# Altium PCB STM32MP25XXAK_2_DDR3L.PcbDoc (part 5 of 6)
Units mm, origin at the board's own origin, x right, y up, seen from the top; angles counter-clockwise.
Board outline 120 x 79.6 mm, 4 copper layers (Top Layer, Signal Layer 1, Signal Layer 2, Bottom Layer), stack 1.614 mm thick; 247 components, 155 nets, 1312 pads, 792 vias.
Unrouted connection lines stored in the file: 6.
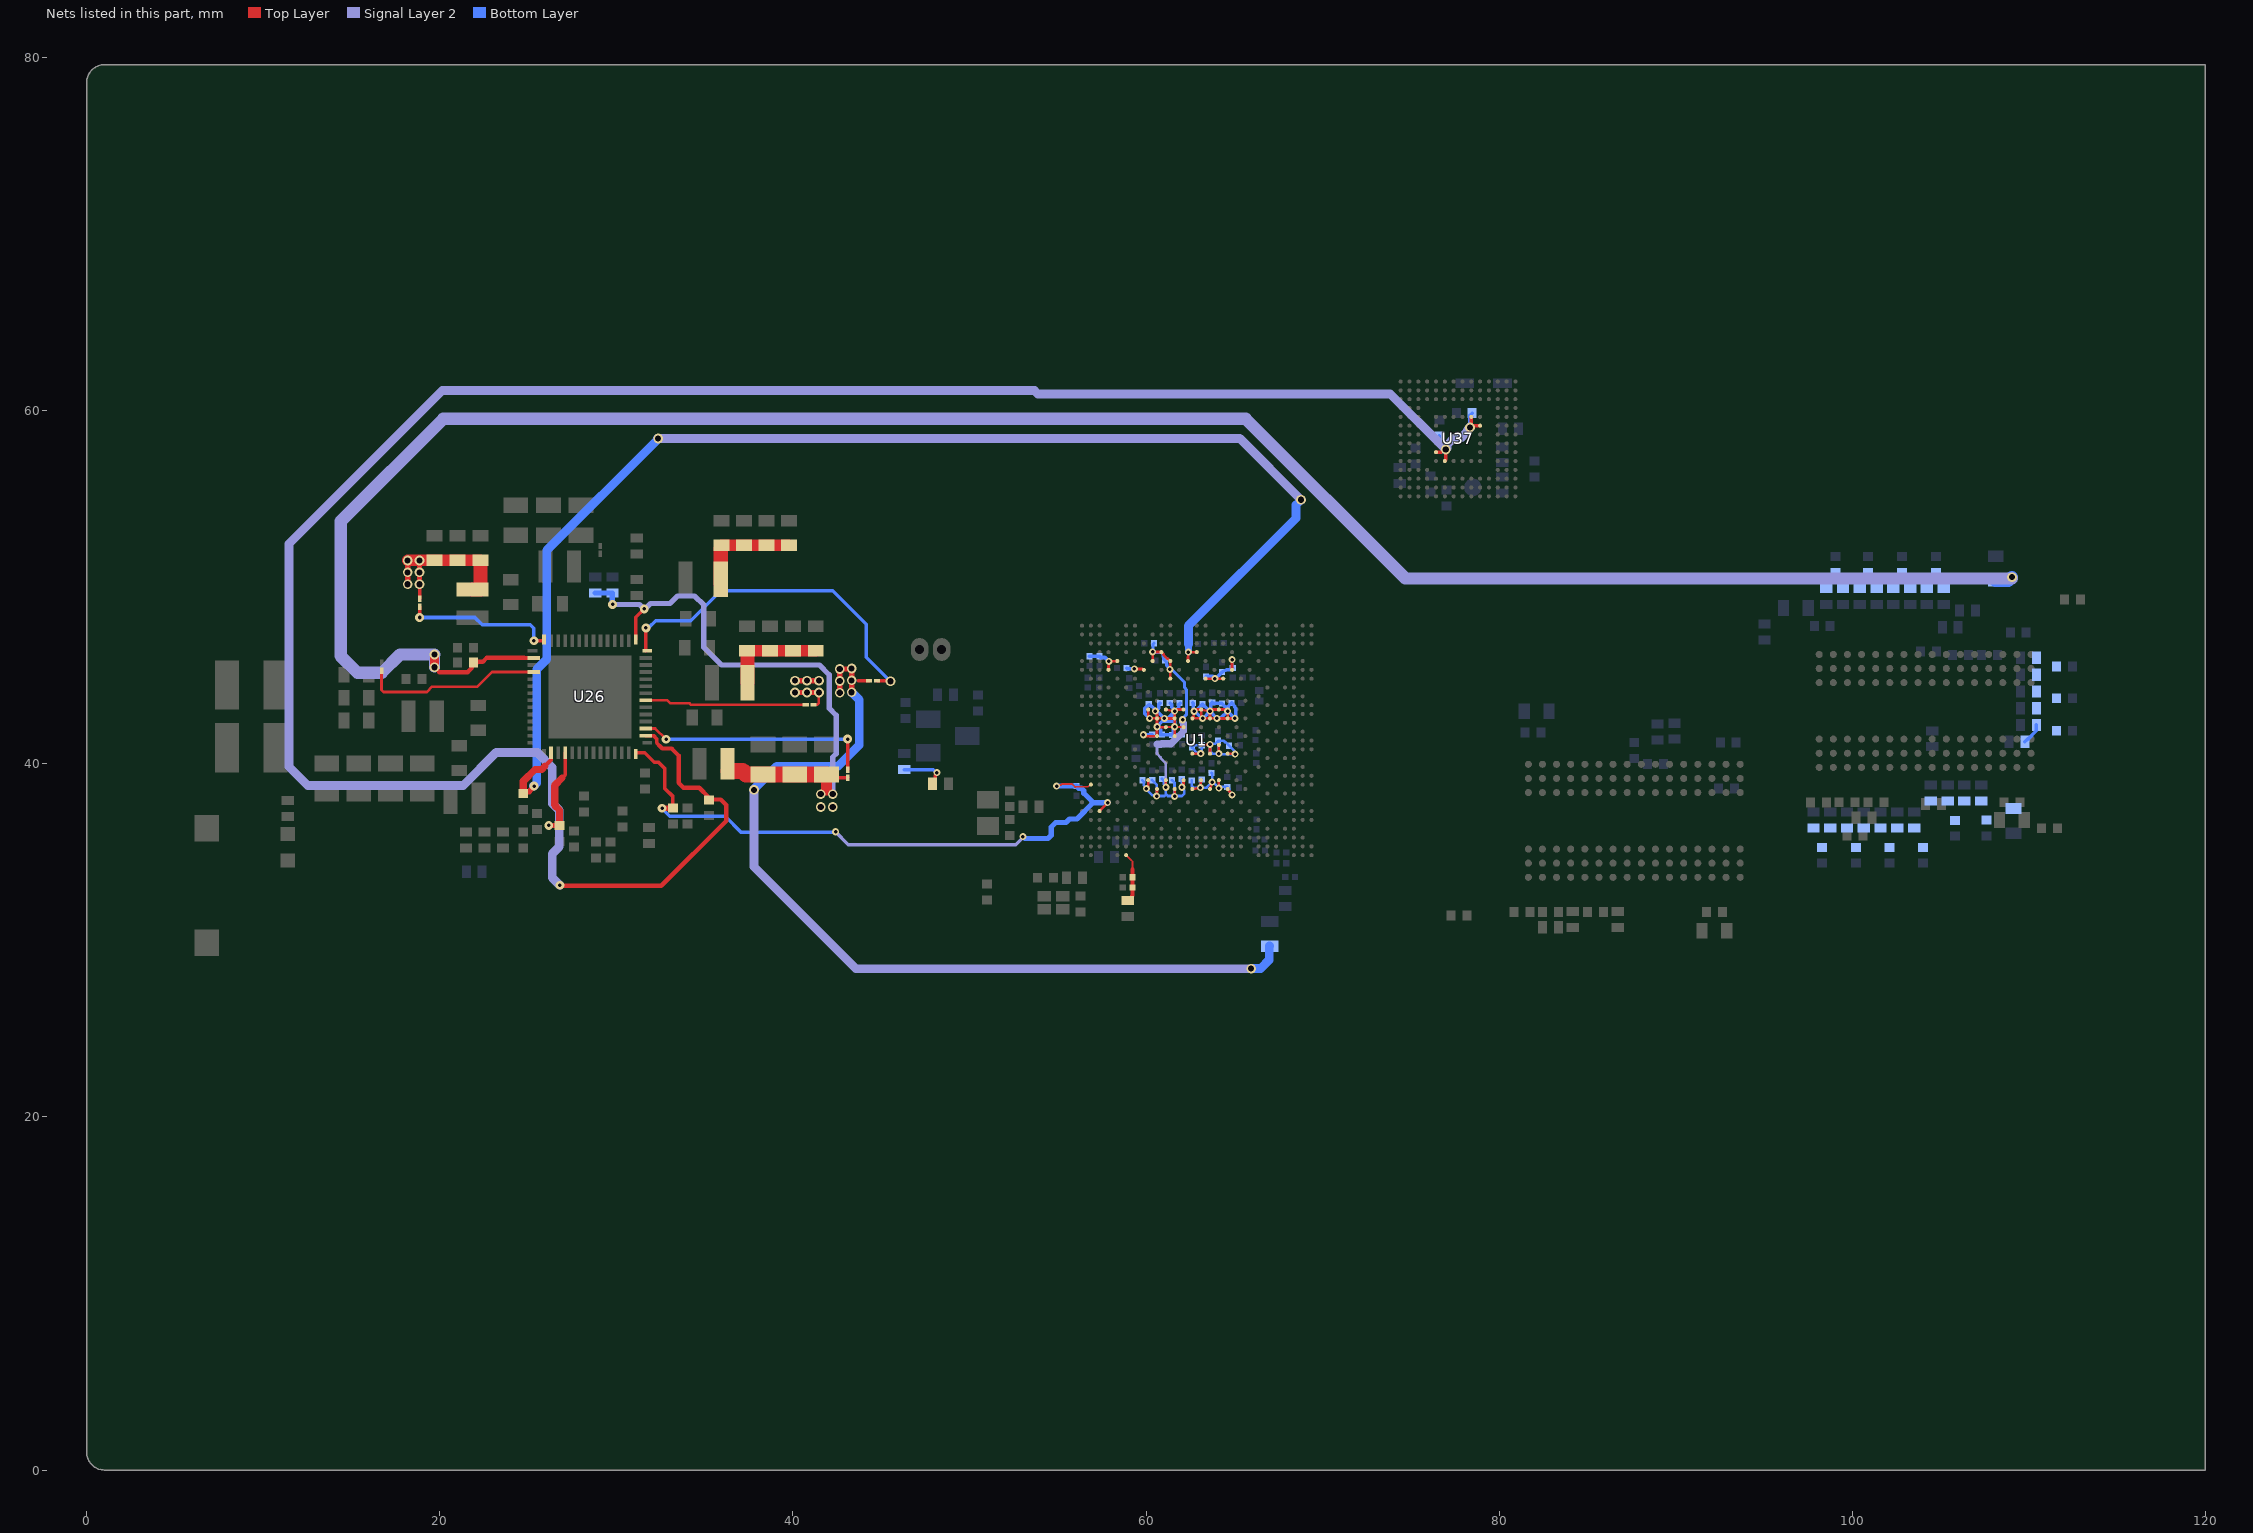
[diagram p7: the nets of this part, all layers, seen from the top]

## Via types
v1: diameter 0.55, hole 0.35, Top Layer to Bottom Layer, 275 vias
v2: diameter 0.4, hole 0.2, Top Layer to Bottom Layer, tented both sides, 246 vias
v3: diameter 0.5, hole 0.2, Top Layer to Bottom Layer, 146 vias
v4: diameter 0.5, hole 0.25, Top Layer to Bottom Layer, 125 vias

## Nets (pads, with @x,y where several pads share a name; then routed paths per layer and width w, separated by ;. In a path a pad name is that pad's centre, name@x,y a point inside that pad or via, vN(x,y) a via of type N, cw(c..) or ccw(c..) an arc to the next point about the centre after c; other vN are vias at no path point) (continued)
VDD_DDR_FB: LNK8.1 U26.46 | length 10.2
  Top Layer w0.15: LNK8.1@16.7,45.273 16.7,44.19 16.817,44.073 19.267,44.073 19.567,44.373 20.237,44.373 20.239,44.375 22.127,44.375 22.952,45.2 U26.46@25.33,45.2
VDD_EMMC: C9.2 C117.2 C190.1 U26.16 U37.E6 U37.F5 U37.J10 U37.K9 | length 132.2
  Top Layer w0.2: U37.E6@76.425,57.655 76.73,57.655 76.88,57.805 v1(76.975,57.805) 76.975,57.213 76.925,57.163 U37.F5@76.925,57.155 ; v1(78.35,59.055) v1@78.425,59.13 ; U37.J10@78.425,59.655 78.425,59.225 78.417,59.217 78.417,59.138 v1@78.425,59.13 ; U37.K9@78.925,59.155 78.545,59.155 78.512,59.122 78.433,59.122 v1@78.425,59.13
  Top Layer w0.21: U26.16@31.67,41.6 32.1,41.6 32.288,41.412 32.288,41.187 32.434,41.041
  Top Layer w0.25: v3@26.752,33.092 32.549,33.092 36.225,36.768 36.225,37.668 35.912,37.981 C190.1@35.266,37.981 ; 32.432,41.038 32.598,40.872 33.128,40.872 33.525,40.475 33.525,38.925 33.8,38.65 34.695,38.65 35.25,38.095 C190.1@35.25,38.025
  Signal Layer 2 w0.5: v3(26.8,33.125) 26.372,33.553 26.372,34.908 26.765,35.301 26.765,37.369 26.372,37.762 26.372,39.786 25.509,40.649 23.203,40.649 21.327,38.773 12.524,38.773 11.458,39.839 11.458,52.457 20.147,61.146 53.676,61.146 53.869,60.953 73.827,60.953 76.886,57.894 v1(76.975,57.805) 76.975,57.819 77.05,57.894 77.05,58.059 77.431,58.44 77.819,58.44 78.2,58.821 78.2,58.891 78.34,59.032 v1@78.34,59.045
  Bottom Layer w0.2: C9.2@76.615,58.58 76.615,58.074 76.884,57.805 v1(76.975,57.805) ; v1(78.35,59.055) 78.35,59.739 C117.2@78.475,59.864
VDD_SDCARD: C215.1 U26.4 | length 5.1
  Top Layer w0.21: 26.925,39.2 27.1,39.375 U26.4@27.1,40.63
  Top Layer w0.3: v3(26.165,36.51) C215.1@26.775,36.51
  Top Layer w0.4: C215.1@26.775,36.51 26.775,37.393 26.51,37.658 26.51,38.785 26.925,39.2
VDDA1V8_AON: C189.2 C234.2 U1.AB3 U1.W2 U26.14 | length 37.9
  Top Layer w0.09: 56.026,38.692 56.705,38.692 56.837,38.825 U1.W2@56.875,38.825 ; v2@57.825,37.775 v2(57.825,37.8)
  Top Layer w0.1: v2(54.932,38.744) 54.99,38.801 55.205,38.801 55.267,38.863 55.805,38.863 55.975,38.692 56.026,38.692
  Top Layer w0.15: U1.AB3@57.375,37.325 v2@57.825,37.775
  Top Layer w0.21: U26.14@31.1,40.63 31.61,40.63 32.148,40.092 32.387,40.092 32.745,39.734 32.745,38.602 33.2,38.147 C189.2@33.2,37.49
  Top Layer w0.3: v3(32.59,37.49) C189.2@33.2,37.49
  Signal Layer 2 w0.2: v2(42.415,36.154) 43.144,35.425 52.627,35.425 53.025,35.823 v2(53.025,35.875)
  Bottom Layer w0.2: v3@32.57,37.493 33.032,37.031 36.158,37.031 37.056,36.133 42.394,36.133 v2(42.415,36.154)
  Bottom Layer w0.3: v2(53.025,35.875) 53.052,35.875 53.152,35.775 53.829,35.775 53.836,35.769 54.451,35.769 54.627,35.944 54.627,36.412 54.891,36.675 55.461,36.675 55.662,36.877 56.088,36.877 57.012,37.8 ; v2(54.932,38.744) 54.936,38.748 C234.2@56.064,38.748 56.199,38.613 56.338,38.613 56.479,38.472 56.479,38.333 57.012,37.8 ; v2(57.825,37.8) 57.012,37.8
VDDCORE: C22.2 C23.2 C24.2 C44.1 C45.2 C46.2 C47.1 C48.2 C49.2 C50.2 C51.2 C183.2 C192.2 C197.2 C201.2 L2.2 LNK2.2 R11.1 U1.1C1 U1.1C3 U1.1C5 U1.1D2 U1.1D4 U1.1E3 U1.1E5 U1.1F2 U1.1F4 U1.E5 U1.F4 U1.F8 | length 78.2
  Top Layer w0.15: U1.F4@57.875,45.325 v2(57.9,45.8) U1.E5@58.375,45.825 ; v2@59.4,45.375 59.803,45.375 59.853,45.325 U1.F8@59.875,45.325 ; v2(59.85,41.65) 59.904,41.65 59.981,41.573 U1.1F2@60.624,41.573 ; U1.1C1@60.125,43.075 60.125,42.724 60.206,42.643 v2@60.206,42.575 ; v2(60.21,42.575) U1.1D2@60.625,42.575 ; v2@60.545,42.99 60.545,42.922 60.625,42.842 U1.1D2@60.625,42.575 ; U1.1F2@60.625,41.65 v2(60.625,42.1) ; U1.1C3@61.125,43.075 v2(61.625,42.983) ; U1.1F4@61.625,41.575 v2(61.625,42.1) ; U1.1E5@62.125,42.075 v2(61.625,42.1) ; U1.1C5@62.125,43.075 61.771,43.075 61.679,42.983 v2(61.625,42.983) ; v2(60.625,42.1) U1.1D2@60.625,42.575 ; v2(60.625,42.1) 60.65,42.075 U1.1E3@61.125,42.075 v2(61.625,42.1) ; U1.1D2@60.625,42.575 61.017,42.572 61.622,42.572 U1.1D4@61.625,42.575 ; v2(61.625,42.1) U1.1D4@61.625,42.575 ; U1.1D4@61.625,42.575 v2@61.625,42.983
  Top Layer w0.2: C22.2@39.775,52.375 C22.2@39.823,52.423 ; 43.7,44.7 LNK2.2@44.316,44.7
  Top Layer w0.3: v1(42.656,44.024) v1(42.656,44.699) v1(42.656,45.374) 43.331,45.374 43.331,44.729 v1@43.331,44.024
  Top Layer w0.64: C183.2@35.95,52.375 C24.2@37.225,52.375 C23.2@38.5,52.375 C22.2@39.775,52.375
  Top Layer w0.8: L2.2@35.915,50.2 L2.2@35.915,50.45 C183.2@35.915,52.173
  Signal Layer 2 w0.5: v1(37.8,38.525) 37.798,38.523 37.798,34.168 43.576,28.39 v1@65.911,28.39 ; v1@65.911,28.391 65.947,28.391 v1(65.956,28.4)
  Bottom Layer w0.2: C192.2@56.8,46.1 C201.2@57.375,46.1 57.45,46.025 57.675,46.025 v2(57.9,45.8) ; C197.2@58.9,45.425 58.942,45.383 v2(59.342,45.383) ; v2(59.85,41.65) 60.346,41.65 C44.1@60.351,41.655 ; v2@60.206,42.575 59.942,42.839 59.942,43.153 60.059,43.27 60.098,43.27 60.173,43.345 60.198,43.32 60.235,43.32 60.285,43.27 60.328,43.27 60.507,43.091 60.507,43.028 60.545,42.99 v2@60.578,42.99 ; C51.2@60.814,43.438 60.788,43.438 60.725,43.375 60.725,43.137 v2@60.578,42.99 ; C46.2@60.84,41.657 C46.2@60.913,41.657 ; C46.2@60.915,41.655 C46.2@60.913,41.657 ; v2@61.135,42.572 61.017,42.572 61.017,42.591 60.719,42.89 60.699,42.89 60.599,42.99 v2@60.578,42.99 ; C49.2@61.377,43.437 61.452,43.362 61.452,43.201 61.625,43.028 v2(61.625,42.983) v2@61.616,42.961 ; C47.1@61.476,41.631 C47.1@61.502,41.657 ; C50.2@61.941,43.438 61.866,43.363 61.866,43.211 v2@61.616,42.961 ; C48.2@62.038,41.657 C47.1@61.502,41.657 ; C46.2@60.913,41.657 C47.1@61.502,41.657 ; C46.2@60.913,41.657 60.84,41.73 60.84,41.94 60.719,42.062 60.663,42.062 v2(60.625,42.1) 60.625,42.107 60.923,42.405 v2@61.06,42.405 ; v2@61.06,42.405 v2@61.227,42.572 ; v2@61.06,42.405 61.623,42.405 ; v2@61.227,42.572 v2@61.616,42.961 ; v2@61.227,42.572 61.455,42.572 ; 61.455,42.572 v2@61.616,42.961 ; 61.455,42.572 61.623,42.405 ; C47.1@61.502,41.657 61.551,41.706 61.551,41.972 61.625,42.046 v2(61.625,42.1) 61.623,42.102 61.623,42.405
  Bottom Layer w0.5: v1(37.8,38.525) 37.81,38.535 37.81,38.592 39.084,39.866 42.555,39.866 43.757,41.068 43.757,43.623 v1(43.326,44.054) ; v1(65.956,28.4) 66.485,28.4 66.983,28.898 66.983,29.658 R11.1@67,29.675
  other v1: 43.326,44.729 43.326,45.404
  other v2: 61.04,42.575 60.531,42.99
VDDCORE_FB: LNK2.1 U26.28 | length 20.6
  Top Layer w0.2: U26.28@31.67,46.4 v3(31.67,47.7) ; LNK2.1@44.766,44.7 v1@45.376,44.7
  Bottom Layer w0.2: v3@31.645,47.7 31.702,47.757 31.876,47.757 32.229,48.111 34.209,48.111 35.902,49.804 42.248,49.804 44.15,47.902 44.15,46.041 v1@45.508,44.683 ; v3@31.65,47.703 31.707,47.761 31.881,47.761 32.234,48.114
  other v1: 45.533,44.683
VDDCPU: C26.2 C27.2 C28.2 C62.1 C63.2 C64.2 C65.1 C66.2 C67.2 C68.2 C69.2 L3.2 LNK4.1 U1.1C7 U1.1C9 U1.1D6 U1.1D8 U1.1D10 U1.F18 U1.G15 U1.G17 | length 28.3
  Top Layer w0.15: v2@62.725,42.907 v2@62.725,42.975 ; v2@63.2,42.575 U1.1D6@62.625,42.575 62.625,42.597 62.696,42.668 62.696,42.956 v2(62.72,42.98) 62.788,42.98 62.883,43.075 U1.1C7@63.125,43.075 ; U1.G15@63.375,44.825 v2(63.9,44.825) U1.G17@64.375,44.825 ; U1.F18@64.875,45.325 v2(64.875,45.91) ; v2@65.017,42.572 64.628,42.572 U1.1D10@64.625,42.575 ; U1.1C7@63.125,43.075 63.125,42.728 63.21,42.643 v2(63.21,42.575) U1.1D8@63.625,42.575 ; U1.1C7@63.125,43.075 v2(63.625,42.983) ; U1.1D8@63.625,42.575 v2(63.625,42.983) ; U1.1D8@63.625,42.575 v2(64.017,42.572) 64.622,42.572 U1.1D10@64.625,42.575 ; v2(63.625,42.983) 63.693,42.983 63.784,43.075 U1.1C9@64.125,43.075 64.466,43.075 64.557,42.983 v2(64.625,42.983) U1.1D10@64.625,42.575
  Top Layer w0.2: LNK4.1@18.85,49.35 v1(18.85,50.173)
  Top Layer w0.3: v1(18.175,50.173) v1(18.175,50.848) v1(18.175,51.523) v1(18.85,51.523) v1(18.85,50.848) v1(18.85,50.173)
  Top Layer w0.64: v1(18.175,51.523) v1(18.175,51.523) C27.2@19.7,51.525 C28.2@21,51.525 C26.2@22.3,51.525
  Top Layer w0.8: L3.2@21.85,49.875 22.3,49.875 22.3,51.173
  Bottom Layer w0.15: v2(64.875,45.91) 64.895,45.89 C66.2@64.895,45.441
  Bottom Layer w0.2: C63.2@62.65,43.455 62.685,43.42 v2@62.685,43.015 ; C67.2@63.4,44.95 63.775,44.95 v2(63.9,44.825) 63.933,44.825 64.23,45.122 64.23,45.127 64.3,45.197 C69.2@64.305,45.197 ; v2(64.017,42.572) 64.055,42.61 64.252,42.61 v2(64.625,42.983) ; v2@64.017,42.583 v2@63.625,42.975 ; C69.2@64.305,45.202 64.579,45.324 64.778,45.324 64.886,45.432 64.91,45.423 C66.2@64.915,45.421 ; v2@63.625,42.975 v2(63.625,42.983) ; v2@63.625,42.975 63.625,42.963 63.237,42.575 63.169,42.575 62.764,42.98 v2(62.72,42.98) 62.758,43.018 62.843,43.018 C62.1@63.2,43.375 63.275,43.3 63.308,43.3 v2(63.625,42.983) ; v2(63.625,42.983) 63.625,43.038 63.675,43.088 63.675,43.4 C65.1@63.75,43.475 63.784,43.441 64.284,43.441 C68.2@64.3,43.425 64.587,43.138 64.587,43.022 v2(64.625,42.983) ; v2(64.625,42.983) 64.658,43.016 64.658,43.258 C64.2@64.85,43.45 65.03,43.27 65.03,43.196 65.086,43.141 65.086,42.672 65.04,42.626 v2(65.04,42.572) 65.036,42.572 v2(64.625,42.983)
VDDCPU_FB: LNK4.2 U26.42 | length 8.6
  Top Layer w0.2: v3(18.85,48.29) LNK4.2@18.85,48.9 ; v3(25.325,46.975) U26.42@25.895,46.975
  Bottom Layer w0.2: v3(18.85,48.29) 21.979,48.29 22.394,47.875 25.123,47.875 25.325,47.673 v3(25.325,46.975)
VDDGPU: C34.2 C35.2 C36.2 C37.2 C52.2 C53.2 C54.2 C55.2 C57.2 C58.2 C59.2 C60.2 L4.2 LNK7.2 U1.1G7 U1.1G9 U1.1H6 U1.1H8 U1.1H10 U1.1L7 U1.1L9 U1.1M6 U1.1M8 U1.1M10 | length 24.7
  Top Layer w0.1: U1.1H6@62.625,40.575 U1.1H6@62.625,40.61
  Top Layer w0.125: v2(64.125,40.575) U1.1G9@64.125,41.075
  Top Layer w0.15: LNK7.2@41.175,43.35 41.182,43.358 41.385,43.358 41.473,43.445 v1(41.473,44.038) ; U1.1M6@62.625,38.575 v2(63.075,38.65) U1.1L7@63.125,39.075 ; U1.1H6@62.625,40.575 v2(63.1,40.575) ; U1.1G7@63.125,41.075 v2(63.625,41.1) U1.1H8@63.625,40.575 ; U1.1M8@63.625,38.575 v2(63.747,38.971) ; v2(64.125,38.629) U1.1L9@64.125,39.075 ; U1.1M10@64.625,38.575 v2(64.876,38.245)
  Top Layer w0.16: U1.1H10@64.625,40.575 v2(65.05,40.55)
  Top Layer w0.2: C35.2@41.55,46.393 C35.2@41.598,46.345
  Top Layer w0.3: v1(40.123,44.038) v1(40.798,44.038) v1(41.473,44.038) ; v1(40.123,44.713) v1(40.798,44.713) v1(41.473,44.713)
  Top Layer w0.64: C37.2@37.4,46.4 C36.2@38.7,46.4 C34.2@40,46.4 C35.2@41.3,46.4
  Top Layer w0.8: L4.2@37.425,44.6 37.425,46.073
  Bottom Layer w0.15: C57.2@62.592,39.053 62.592,38.738 62.68,38.65 v2(63.075,38.65) ; C60.2@63.154,39.122 63.092,39.06 63.092,38.667 v2(63.075,38.65) ; C59.2@63.714,39.486 63.747,39.453 v2(63.747,38.971) ; v2(64.876,38.245) 64.876,38.289 64.707,38.458 64.707,38.597 C58.2@64.607,38.697 64.193,38.697 v2(64.125,38.629) 63.783,38.971 v2(63.747,38.971) ; v2(63.075,38.65) 63.426,38.65 v2(63.747,38.971) ; C52.2@63.162,41.057 62.788,41.057 62.756,41.025 62.7,41.025 C55.2@62.6,40.925 62.902,40.623 63.052,40.623 v2(63.1,40.575) 63.162,40.637 C52.2@63.162,41.057 ; C52.2@63.162,41.057 63.184,41.079 63.603,41.079 v2(63.625,41.1) ; v2(63.625,41.1) 63.656,41.131 63.908,41.131 C53.2@64.083,41.306 ; v2(63.625,41.1) 63.625,40.719 63.769,40.575 v2(64.125,40.575) ; C53.2@64.083,41.306 64.396,41.306 64.463,41.239 64.496,41.239 C54.2@64.706,41.029 65.002,40.733 65.002,40.598 v2(65.05,40.55) 64.15,40.55 v2(64.125,40.575) ; C53.2@64.083,41.306 64.083,40.962 64.125,40.919 v2(64.125,40.575)
VDDGPU_FB: LNK7.1 U26.21 | length 9.3
  Top Layer w0.15: U26.21@31.55,43.6 32.883,43.6 33.06,43.423 34.14,43.423 34.213,43.35 LNK7.1@40.725,43.35
VDDIO: C70.1 C71.2 C72.2 C73.1 C74.2 C185.2 C186.2 C187.2 C196.2 C205.2 L6.2 LNK11.2 R27.2 R67.2 R260.2 R261.2 U1.1L1 U1.1L3 U1.1L5 U1.1M2 U1.1M4 U1.D10 U1.E9 U1.E11 U1.G11 U26.29 | length 59.1
  Top Layer w0.15: v2(60.025,38.6) 60.025,38.618 60.125,38.718 U1.1L1@60.125,39.075 ; U1.E9@60.375,45.825 U1.E9@60.397,45.825 ; U1.E9@60.375,45.825 v2(60.375,46.344) ; v2@60.448,46.335 U1.D10@60.865,46.335 ; v2(60.6,38.175) U1.1M2@60.625,38.575 ; U1.D10@60.875,46.325 60.875,46.322 61,46.197 61,46.17 61.22,45.95 61.247,45.95 61.372,45.825 U1.E11@61.375,45.825 61.375,45.448 61.362,45.435 61.375,45.423 U1.G11@61.375,44.825 ; v2(61.125,38.675) U1.1L3@61.125,39.075 ; U1.1M4@61.625,38.575 61.625,38.212 v2@61.663,38.175 ; v2@62.05,38.675 62.05,38.743 62.125,38.818 U1.1L5@62.125,39.075
  Top Layer w0.2: U26.29@31.1,47.045 31.1,48.298 v3(31.575,48.773) ; C186.2@41.9,39.4 42.085,39.215 LNK11.2@43.1,39.215 ; R27.2@47.905,38.872 48.06,39.027 48.06,39.347 48.158,39.446 v2(48.158,39.5)
  Top Layer w0.64: 41.9,38.525 C186.2@41.9,38.955
  Top Layer w0.9: L6.2@36.35,39.6 37.15,39.6 37.35,39.4 C187.2@38.3,39.4 C185.2@40.1,39.4 C186.2@41.9,39.4
  Signal Layer 2 w0.15: 60.633,41.112 60.619,41.098 60.619,40.581 60.827,40.373 60.827,40.328 61.125,40.03 v2(61.125,38.675)
  Signal Layer 2 w0.3: v3(29.784,49.027) 31.299,49.027 31.55,48.776 v3@31.575,48.776 ; v3(31.575,48.773) 31.629,48.773 31.94,49.084 33.043,49.084 33.473,49.513 34.431,49.513 34.955,48.989 34.955,46.601 35.956,45.6 41.499,45.6 42.051,45.048 42.051,43.156 42.451,42.756 42.451,40.573 42.252,40.375 v1(42.252,38.285)
  Signal Layer 2 w0.4: 60.633,41.112 60.859,41.112 60.885,41.138 61.426,41.138 62.125,41.837 62.125,42.307 62.072,42.36 v2(62.072,42.497)
  Bottom Layer w0.15: C70.1@59.781,39.075 59.881,38.975 59.881,38.787 60.025,38.643 60.025,38.55 60.352,38.223 60.552,38.223 v2(60.6,38.175) ; C71.2@60.34,39.085 60.6,38.825 v2(60.6,38.175) ; C72.2@60.905,39.148 61.005,39.048 61.005,38.863 61.125,38.743 v2(61.125,38.675) 61.125,38.285 ; C73.1@61.467,39.074 61.61,38.931 v2@61.61,38.175 ; v2(61.625,38.16) v2@61.61,38.175 ; C74.2@62.03,39.133 62.04,39.123 62.04,38.685 62.05,38.675 62.05,38.607 62.175,38.482 62.175,38.323 62.027,38.175 v2@61.61,38.175 ; v2(60.6,38.175) 61.037,38.175 61.125,38.263 61.125,38.285 ; 61.125,38.285 61.235,38.175 v2@61.61,38.175
  Bottom Layer w0.175: C205.2@60.452,46.829 60.389,46.765 v2@60.389,46.357 ; v2@60.485,46.38 60.411,46.38 v2@60.389,46.357 ; v2@61.35,45.366 61.35,45.39 61.175,45.565 61.175,45.66 61.163,45.672 61.163,45.762 61,45.925 61,46.01 60.968,46.042 60.968,46.188 60.85,46.305 60.413,46.305 v2(60.375,46.344) v2@60.389,46.357 ; v2@61.362,45.435 62.186,44.612 62.186,44.315 62.253,44.249 62.253,44.231 62.283,44.2 62.283,42.776 62.072,42.564 v2(62.072,42.497)
  Bottom Layer w0.2: R67.2@46.3,39.675 47.941,39.675 48.116,39.5 v2(48.158,39.5)
  Bottom Layer w0.3: R260.2@28.81,49.683 29.785,49.683 29.774,49.673 29.774,49.041 v3@29.764,49.031
  other v1: 41.577,37.56 42.252,37.56 41.577,38.285
  other v2: 62.03,38.675 61.35,45.35
VDDIO_FB: LNK11.1 U26.17 | length 13.4
  Top Layer w0.15: U26.17@31.67,42 32.2,42 32.803,41.397 v3(32.815,41.397)
  Top Layer w0.2: LNK11.1@43.1,39.665 v3(43.1,41.4)
  Bottom Layer w0.15: v3@43.097,41.397 v3(43.1,41.4)
  Bottom Layer w0.2: v3(32.815,41.397) v3@43.097,41.397
VDDIO_SDCARD: C195.2 C217.1 U1.D14 U1.E13 U26.2 | length 76.7
  Top Layer w0.15: U1.E13@62.375,45.825 v2(62.4,46.325) U1.D14@62.875,46.325
  Top Layer w0.21: 25.959,39.873 26.3,40.214 U26.2@26.3,40.63
  Top Layer w0.3: C217.1@24.725,38.38 24.77,38.425 25.059,38.425 25.335,38.701 v3(25.335,38.737)
  Top Layer w0.4: C217.1@24.725,38.32 24.725,38.38 24.725,39.015 25.399,39.69 25.775,39.69 25.959,39.873
  Signal Layer 2 w0.5: v1(32.365,58.43) 32.368,58.432 51.443,58.432 ; 51.445,58.435 51.443,58.432 ; v1(68.777,54.958) 65.303,58.432 51.443,58.432
  Bottom Layer w0.4: v2(62.4,46.325) C195.2@62.4,46.787
  Bottom Layer w0.5: v3@25.315,38.74 25.489,38.914 25.489,45.364 26.061,45.936 26.061,52.095 32.335,58.37 32.335,58.424 v1@32.345,58.433 ; C195.2@62.4,46.787 62.4,47.824 68.495,53.919 68.495,54.661 68.777,54.944 v1(68.777,54.958)
VREF+: C248.2 C250.2 R269.2 U1.AG6 | length 2.9
  Top Layer w0.09: U1.AG6@58.875,34.825 59.13,34.57
  Top Layer w0.1: 59.13,34.57 59.233,34.467 59.233,34.02
  Top Layer w0.25: R269.2@58.956,32.258 59.051,32.258 59.181,32.388 59.181,32.483 59.233,32.535 C248.2@59.233,33.002 C250.2@59.233,33.572 59.233,34.02
VTT_DDR: C40.2 C122.2 C123.2 C124.2 C125.2 C126.2 C127.2 C129.2 C131.2 C132.2 C133.2 C134.2 C135.2 C136.2 C139.2 C140.2 R116.2 R117.2 R118.2 R119.2 R120.2 R121.2 R122.2 R123.2 R124.2 R125.2 R126.2 R127.2 R128.2 R129.2 R130.2 R131.2 R132.2 R133.2 R134.2 R135.2 R136.2 R137.2 R138.2 R139.2 R140.2 U26.44 | length 124.5
  Top Layer w0.21: 24.775,46 U26.44@25.33,46
  Top Layer w0.25: v1(19.702,45.473) 19.975,45.2 21.575,45.2 21.82,45.445 21.82,45.635 21.935,45.75 C40.2@22.005,45.75 ; C40.2@22.01,45.635 22.165,45.79 22.44,45.79 22.65,46 24.775,46
  Top Layer w0.5: v1(19.702,45.473) v1@19.702,46.196
  Signal Layer 2 w0.6: v1@19.7,45.475 v1(19.7,46.198)
  Signal Layer 2 w0.7: v1(19.7,46.198) 17.744,46.198 16.709,45.163 15.337,45.163 14.383,46.117 14.383,53.733 20.199,59.549 65.64,59.549 74.694,50.495 v1@109.05,50.495
  Bottom Layer w0.2: R135.2@109.783,41.25 109.943,41.41 109.97,41.41 110.433,41.873 R136.2@110.433,42.2
  Bottom Layer w0.7: C123.2@108.132,50.358 108.833,50.358 v1(109.05,50.575)
pads on no net: U1.A3 U1.A6 U1.A7 U1.A10 U1.A11 U1.A14 U1.A15 U1.A18 U1.A19 U1.A26 U1.AA3 U1.AA5 U1.AA7 U1.AA9 U1.AA11 U1.AA13 U1.AA15 U1.AA17 U1.AA19 U1.AB1 U1.AB2 U1.AB8 U1.AB10 U1.AB12 U1.AB14 U1.AB16 U1.AB18 U1.AC2 U1.AC7 U1.AC9 U1.AC13 U1.AC15 U1.AC17 U1.AC19 U1.AC25 U1.AD4 U1.AD6 U1.AD8 U1.AD10 U1.AD12 U1.AD14 U1.AD16 U1.AD18 U1.AD20 U1.AD24 U1.AD25 U1.AE2 U1.AE3 U1.AE4 U1.AE5 U1.AE6 U1.AE7 U1.AE8 U1.AE9 U1.AE10 U1.AE11 U1.AE12 U1.AE13 U1.AE14 U1.AE15 U1.AE16 U1.AE17 U1.AE18 U1.AE19 U1.AE20 U1.AE24 U1.AE25 U1.AE26 U1.AF1 U1.AF3 U1.AF7 U1.AF9 U1.AF10 U1.AF11 U1.AF13 U1.AF14 U1.AF15 U1.AF17 U1.AF18 U1.AF19 U1.AF21 U1.AF22 U1.AF23 U1.AF25 U1.AF26 U1.AF27 U1.AG5 U1.AG9 U1.AG10 U1.AG13 U1.AG14 U1.AG17 U1.AG18 U1.AG21 U1.AG22 U1.AG25 U1.AG26 U1.B1 U1.B2 U1.B3 U1.B5 U1.B6 U1.B7 U1.B9 U1.B10 U1.B11 U1.B13 U1.B14 U1.B15 U1.B17 U1.B18 U1.B19 U1.B21 U1.B26 U1.B27 U1.C2 U1.C3 U1.C4 U1.C5 U1.C7 U1.C8 U1.C9 U1.C11 U1.C12 U1.C13 U1.C14 U1.C15 U1.C16 U1.C17 U1.C18 U1.C19 U1.C20 U1.C21 U1.C22 U1.C26 U1.C27 U1.D3 U1.D4 U1.D6 U1.D8 U1.D12 U1.D16 U1.D20 U1.D25 U1.E1 U1.E2 U1.E3 U1.F1 U1.F2 U1.F6 U1.F10 U1.G2 U1.G3 U1.G13 U1.G21 U1.H3 U1.H4 U1.J1 U1.J2 U1.J3 U1.J5 U1.K1 U1.K2 U1.K4 U1.K6 U1.L2 U1.L3 U1.L5 U1.L7 U1.L21 U1.M3 U1.M4 U1.M6 U1.N1 U1.N2 U1.N3 U1.N5 U1.N7 U1.P1 U1.P2 U1.P3 U1.P4 U1.P6 U1.R2 U1.R3 U1.R5 U1.T3 U1.T4 U1.U1 U1.U2 U1.U3 U1.U5 U1.U7 U1.V1 U1.V2 U1.V3 U1.V4 U1.W5 U1.Y3 U1.Y6 U1.Y24 U2.J1 U2.J9 U2.L1 U2.L9 U8.J1 U8.J9 U8.L1 U8.L9 U37.A1 U37.A2 U37.A7 U37.A8 U37.A9 U37.A10 U37.A11 U37.A12 U37.A13 U37.A14 U37.B1 U37.B7 U37.B8 U37.B9 U37.B10 U37.B11 U37.B12 U37.B13 U37.B14 U37.C1 U37.C3 U37.C5 U37.C7 U37.C8 U37.C9 U37.C10 U37.C11 U37.C12 U37.C13 U37.C14 U37.D1 U37.D2 U37.D3 U37.D4 U37.D12 U37.D13 U37.D14 U37.E1 U37.E2 U37.E3 U37.E5 U37.E8 U37.E9 U37.E10 U37.E12 U37.E13 U37.E14 U37.F1 U37.F2 U37.F3 U37.F10 U37.F12 U37.F13 U37.F14 U37.G1 U37.G2 U37.G3 U37.G10 U37.G12 U37.G13 U37.G14 U37.H1 U37.H2 U37.H3 U37.H12 U37.H13 U37.H14 U37.J1 U37.J2 U37.J3 U37.J12 U37.J13 U37.J14 U37.K1 U37.K2 U37.K3 U37.K6 U37.K7 U37.K10 U37.K12 U37.K13 U37.K14 U37.L1 U37.L2 U37.L3 U37.L12 U37.L13 U37.L14 U37.M1 U37.M2 U37.M3 U37.M7 U37.M8 U37.M9 U37.M10 U37.M11 U37.M12 U37.M13 U37.M14 U37.N1 U37.N3 U37.N6 U37.N7 U37.N8 U37.N9 U37.N10 U37.N11 U37.N12 U37.N13 U37.N14 U37.P1 U37.P2 U37.P7 U37.P8 U37.P9 U37.P10 U37.P11 U37.P12 U37.P13 U37.P14